# KiCad board zediac.kicad_pcb (continued)
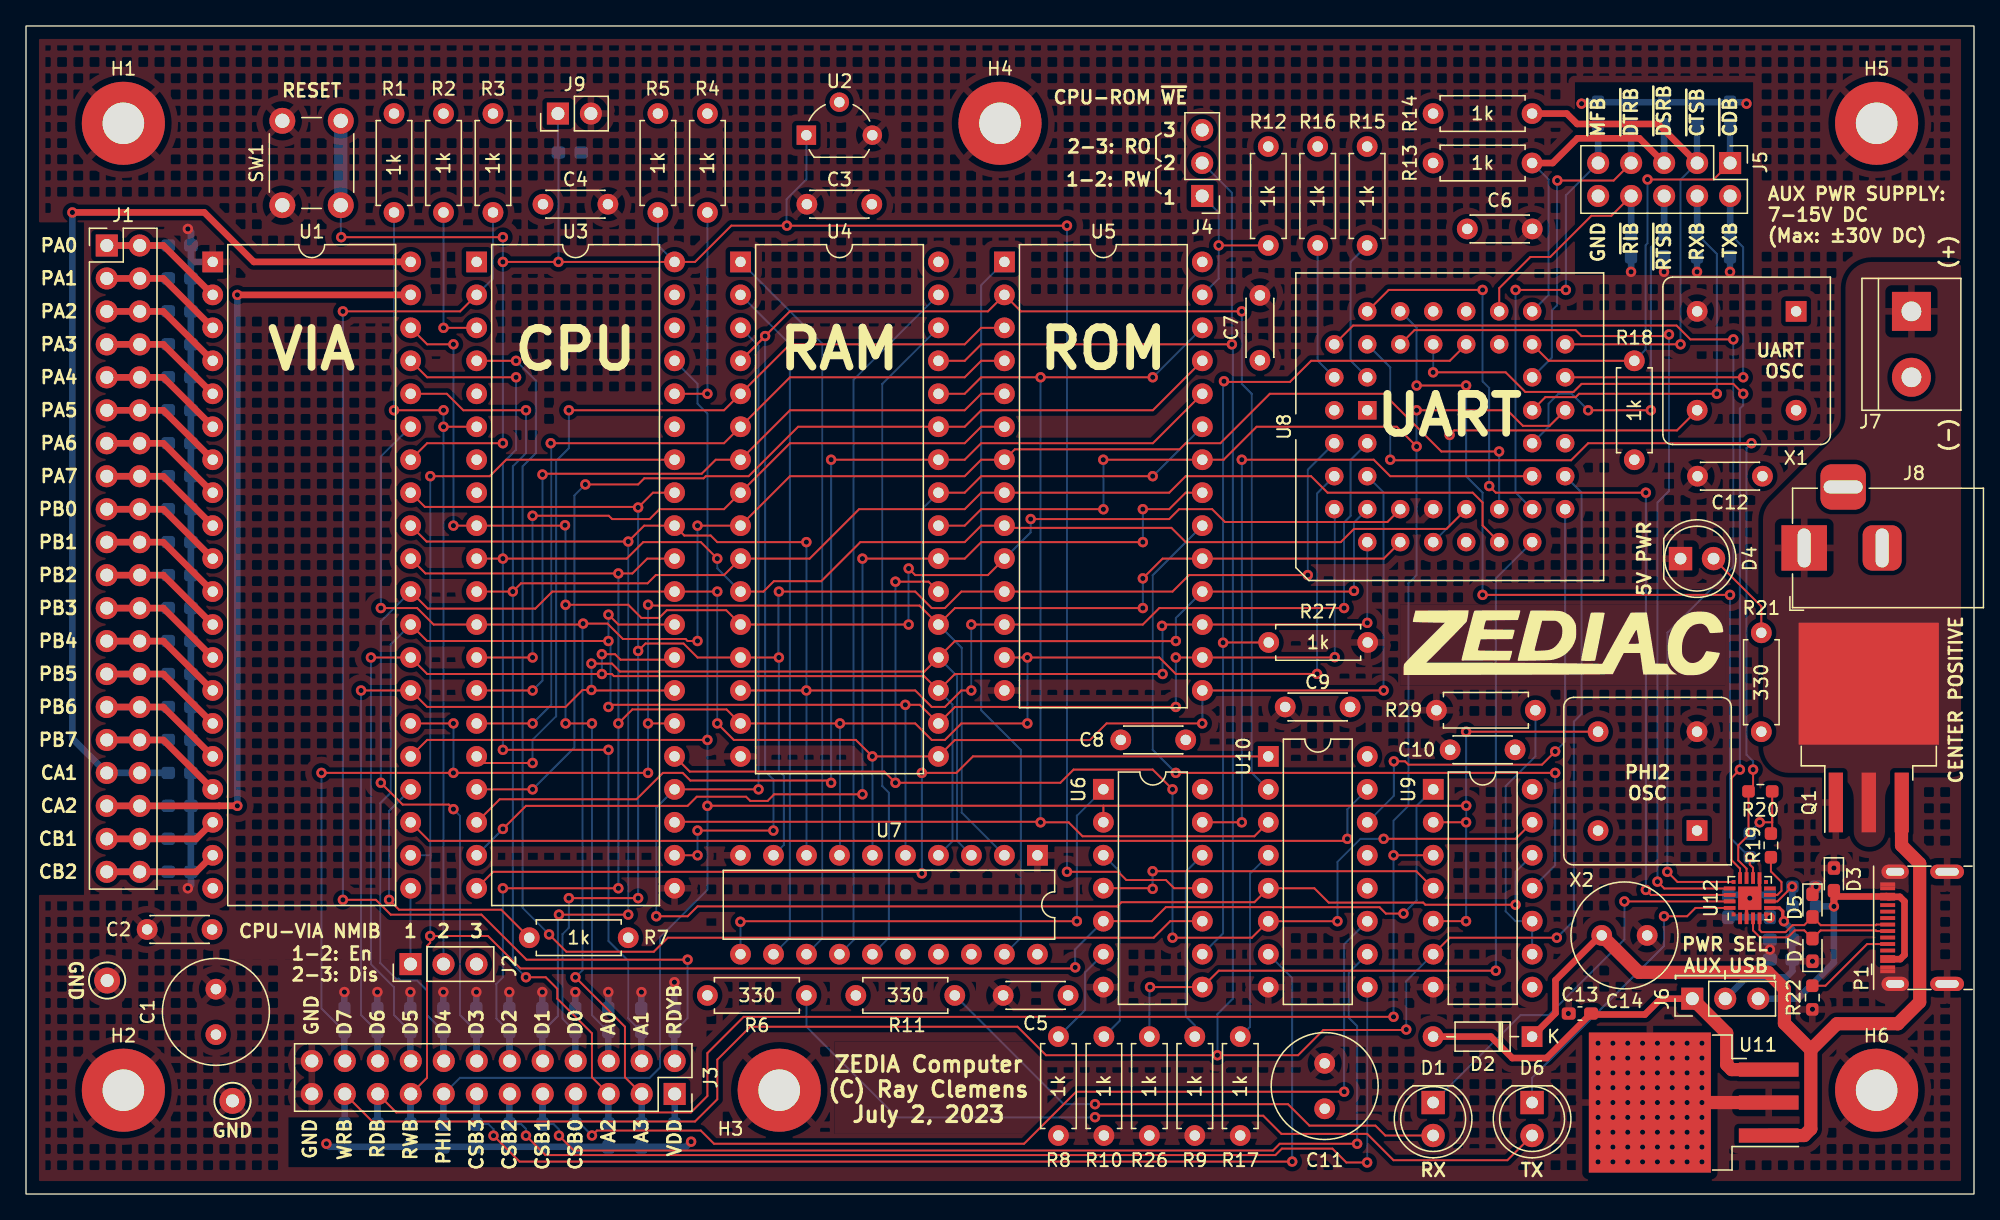
[diagram p0: board, top side]
## Routing (per net, layer and track width the routed paths; a pad name or vN(x,y) marks a point on that pad's centre or on a via; arc(x,y) is an arc through that point) (continued)
Net-(U8-XTAL1): length 28.6
  Top w0.152: X1.5 127.13,58.84 109.97,58.84 v1(109.62,58.48)
  Bottom w0.152: v1(109.62,58.48) 109.62,51.49 U8.11
Net-(U8-~{CDA}): length 10.7
  Bottom w0.152: U8.42 99.46,64.21 R16.2
Net-(U8-~{RIA}): length 11.2
  Bottom w0.152: U8.43 102,64.21 102,71.82 R15.2
Net-(U10-E1): length 14.9
  Bottom w0.152: U10.4 94.25,24.69 94.25,12.88 R17.1
Net-(U12-RXD): length 69.7
  Top w0.152: U8.38 106.91,66.56 119.32,66.56 119.78,66.1 126.38,66.1 v1(126.51,66.23) ; U12.17 126.14,23.55 v1(125.62,24.07)
  Bottom w0.152: v1(126.51,66.23) 126.51,54.17 125.62,53.28 v1(125.62,24.07)
Net-(U12-SUSPEND): length 72.1
  Top w0.152: v1(105.05,56.58) 105.09,56.54 118.97,56.54 120.29,57.85 v1(132.86,57.85) ; v1(132.99,32.7) 132.99,31.38 ; U12.14 132.48,25.07 131.84,25.71 131.84,26.86 132.63,27.65 R20.2
  Bottom w0.152: U8.41 105.05,63.7 v1(105.05,56.58) ; v1(132.86,57.85) 132.48,57.47 132.48,33.85 132.99,33.34 v1(132.99,32.7)
Net-(U12-TXD): length 74.4
  Top w0.152: v1(124.73,23.43) 125.12,23.05 U12.18 ; v1(112.67,54.55) 113.18,54.04 v1(124.73,54.04) ; v1(112.16,69.66) 104.93,69.66 U8.39
  Bottom w0.152: v1(124.73,23.43) v1(124.73,54.04) ; v1(112.16,69.66) 112.16,62.62 112.67,62.11 v1(112.67,54.55)
Net-(U12-VBUS): length 3.7
  Top w0.152: v1(136,23.69) 134.85,22.55 U12.8
  Bottom w0.508: R25.2 136.01,23.67
Net-(U12-~{CTS}): length 65.2
  Top w0.152: v1(131.97,32.7) 131.34,32.07 131.34,25.72 131.98,25.07 U12.15 ; v1(108.35,63.31) 113.94,63.31 115.45,61.8 119.16,61.8 119.78,62.42 131.46,62.42 v1(132.23,61.66)
  Bottom w0.152: v1(108.35,63.31) 108.36,63.32 U8.36 ; v1(131.97,32.7) 131.97,60.52 132.23,60.77 v1(132.23,61.66)
Net-(U12-~{RST}): length 3.9
  Top w0.152: R19.2 134.36,24.86 135.17,24.04 135.17,23.36 134.86,23.05 U12.9
Net-(U12-~{RTS}): length 80.3
  Top w0.152: v1(126.38,24.83) 127.17,24.05 U12.16 ; v1(131.46,65.85) 128.16,65.85 127.1,66.92 102.19,66.92 U8.40
  Bottom w0.152: v1(126.38,24.83) 126.38,43.25 131.46,48.33 v1(131.46,65.85)
Net-(U12-~{WAKEUP}): length 68.3
  Top w0.152: v1(132.73,25.97) 132.73,25.39 132.98,25.14 U12.13 ; v1(110.89,62.3) v1(107.08,62.3) ; v1(131.21,46.17) v1(112.16,46.17)
  Bottom w0.152: v1(110.89,62.3) 110.89,55.31 112.16,54.04 v1(112.16,46.17) ; U8.37 107.08,66.75 v1(107.08,62.3) ; v1(131.21,46.17) 131.21,27.47 R24.2

## Copper pours and planes (outline as drawn; the poured copper is in the pictures)
GND on Top: 52.06,11.67 20.72,11.67 20.72,16.6 52.06,16.6
GND on Top: 145.3,15.1 142.1,15.1 142.09,26.21 145.29,26.21
GND on Top: 148.42,72.78 133.37,72.78 133.37,77.85 148.42,77.85
GND on Top: 28.29,14.14 19.65,14.14 19.65,17.7 28.29,17.7
GND on Top: 130.83,39.18 105.81,39.18 105.81,45.4 130.83,45.4
GND on Top: 78.38,4.64 62.25,4.64 62.25,11.75 78.38,11.75
GND on Top: 30.12,18.1 15.89,18.1 15.89,21.66 30.12,21.66
GND on Top, Bottom: 149.98,0.11 -0.02,0.11 -0.02,90.02 149.98,90.02
GND on Bottom: 150.01,0.06 115.97,0.06 115.97,23.56 129.05,23.56 131.97,26.86 150.01,26.86
GND on In2.Cu: 149.98,0.11 -0.02,0.11 -0.02,90.02 149.98,90.02
VDD on In1.Cu: 150,0.09 0,0.09 0,90 150,90
/PWR_IN on Top: 150.01,32.45 143.15,32.45 143.15,26.73 140.74,26.73 140.74,32.45 133.75,32.45 133.75,52.77 140.1,59.12 140.1,71.82 150.01,71.82

## Text on the board
B.Silkscreen: ZEDIAC Motherboard / HW Design REV: 1.2 / Layout REV: A / Order No.
F.Silkscreen: 1-2: En / 2-3: Dis | CPU-ROM ~{WE} | PWR SEL | AUX | AUX PWR SUPPLY: / 7-15V DC / (Max: ±30V DC) | GND | CPU-VIA NMIB | RESET | 1 | 2 | 3 | RX | TX | PHI2 / OSC | PA0 | PA1 | PA2 | PA3 | PA4 | PA5 | PA6 | PA7 | PB0 | PB1 | PB2 | PB3 | PB4 | PB5 | PB6 | PB7 | CA1 | CA2 | CB1 | CB2 | 2-3: RO | 1-2: RW | USB | UART / OSC | D7 | D6 | D5 | D4 | D3 | D2 | D1 | D0 | A0 | A1 | RDYB | ~{MFB} | ~{DTRB} | ~{DSRB} | ~{CTSB} | ~{CDB} | 5V PWR | (+) | (-) | WRB | RDB | RWB | PHI2 | CSB3 | CSB2 | CSB1 | CSB0 | A2 | A3 | VDD | ~{RIB} | ~{RTSB} | RXB | TXB | CENTER POSITIVE | ZEDIA Computer / (C) Ray Clemens / July 2, 2023 | VIA | CPU | RAM | ROM | UART
